# KiCad board uq_phone.kicad_pcb (continued)
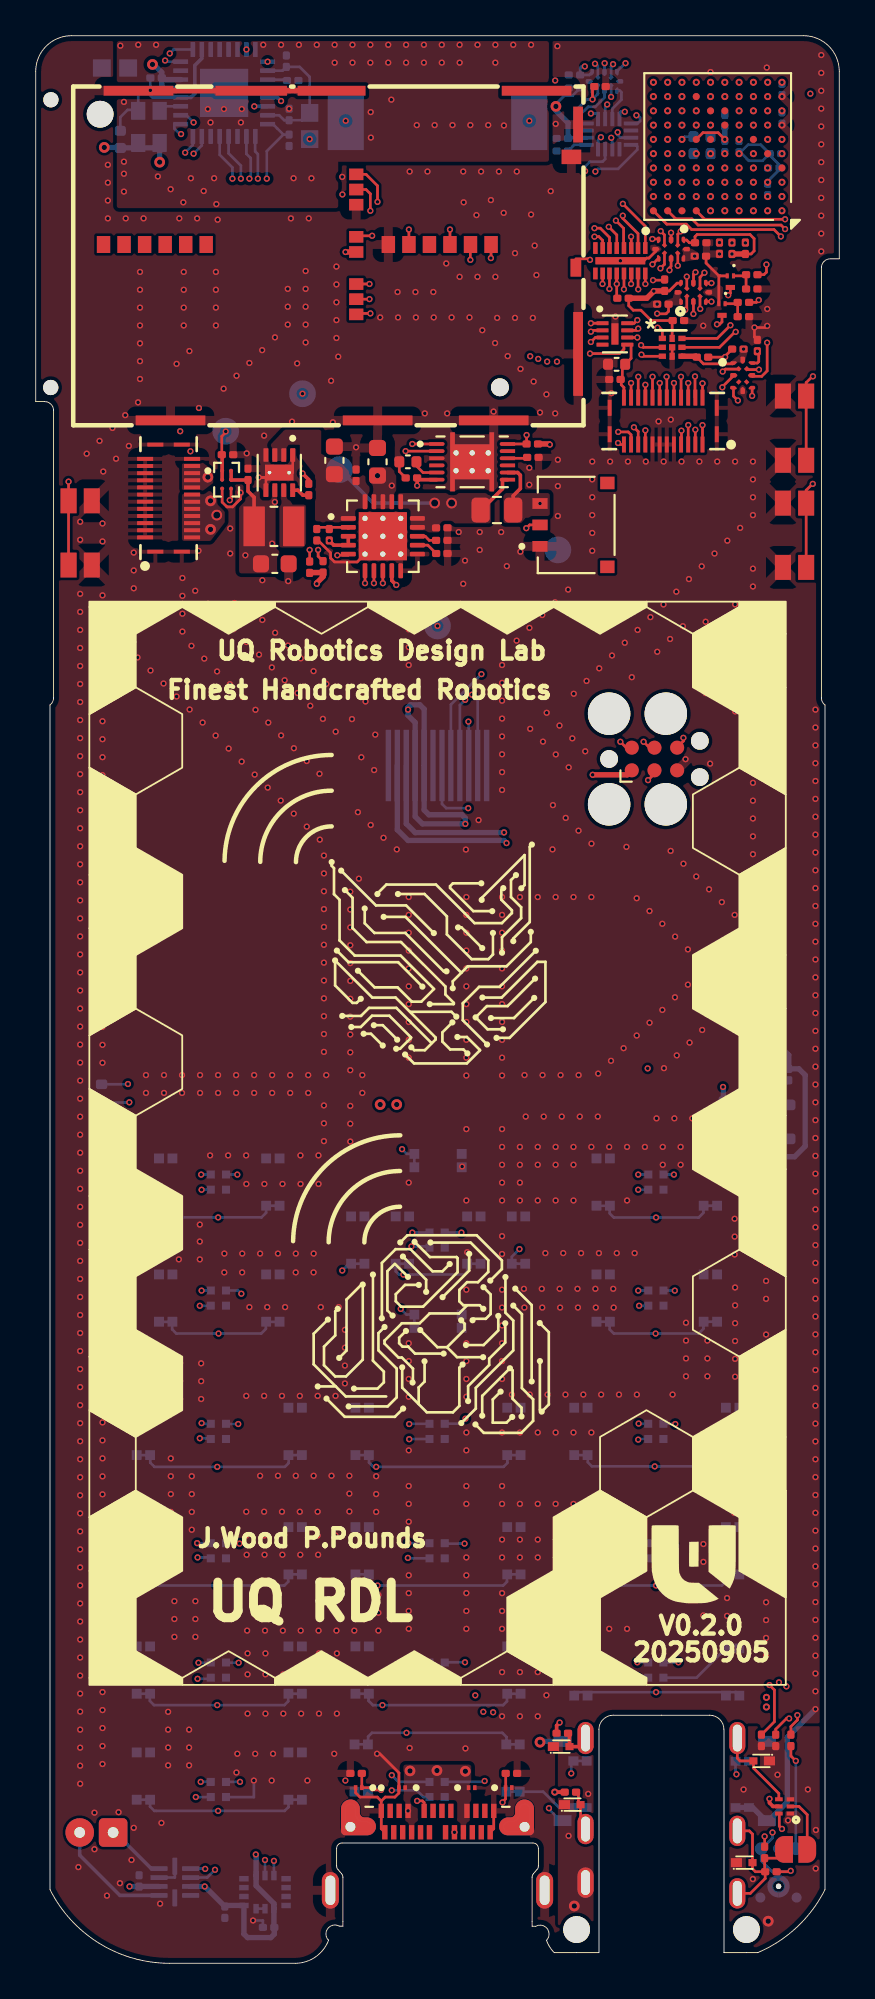
[diagram p0: board, top side]
## Routing (per net, layer and track width the routed paths; a pad name or vN(x,y) marks a point on that pad's centre or on a via; arc(x,y) is an arc through that point) (continued)
PB_DPAD_RIGHT: length 73.5
  In4.Cu w0.15: v1(17.17,38.81) 17.17,67.6 30.61,81.04 30.62,81.04 30.64,81.06 30.64,97.1 32.91,99.37 37.37,99.37 v1(37.79,99.79)
  Bottom w0.15: v1(17.17,38.81) 17.55,39.2 SW32.3 SW32.1
PB_DPAD_SELECT: length 88.8
  In4.Cu w0.15: v1(41.79,102.19) 42.04,102.19 42.61,101.62 42.61,89.6 42.4,89.38 42.4,49.07 38.44,45.11 22.92,45.11 20.59,42.79 v1(20.59,38.59)
  Bottom w0.15: SW11.1 SW11.3 24.16,38.76 23.99,38.59 v1(20.59,38.59) 20.34,38.59 20.16,38.77 SW5.3 SW5.1
PB_DPAD_UP: length 78.8
  In4.Cu w0.15: v1(40.99,102.19) 41.37,101.81 41.9,101.81 42.36,101.35 42.36,89.7 42.14,89.49 42.14,49.19 38.32,45.36 20.77,45.36 v1(20.52,45.61)
  Bottom w0.15: SW23.1 SW23.3 20.78,45.35 v1(20.52,45.61)
PB_END_CALL: length 88.5
  In4.Cu w0.15: v1(37.79,100.59) 37.37,100.17 33.35,100.17 30.39,97.2 30.39,95.29 30.39,95.29 30.39,81.18 16.91,67.7 16.91,39.11 13.08,35.28 v1(10.24,35.28)
  Bottom w0.15: 6.89,35.94 7.65,35.94 SW21.1 ; 12.9,35.93 12.9,35.94 13.64,35.94 ; 12.89,35.94 12.89,35.55 12.63,35.28 v1(10.24,35.28) 7.88,35.28 7.64,35.52 7.64,35.94
PB_HASH: length 123.7
  In4.Cu w0.15: v1(10.22,8.54) 12.82,8.54 18.59,14.31 18.59,44.5 22.15,48.06 31.59,48.06 41.89,58.37 41.89,89.65 42.11,89.86 42.11,95.65 39.81,97.95 39.81,100.17 v1(39.39,100.59)
  Bottom w0.15: SW35.3 SW35.1 6.4,8.78 6.64,8.54 v1(10.22,8.54) 13.94,8.54 14.15,8.75 SW40.3 SW40.1
PB_MENU_L: length 76.9
  In4.Cu w0.15: v1(34.74,41.78) 38.48,41.78 42.9,46.2 42.9,89.17 43.11,89.39 43.11,102.67 42.37,103.41 41.42,103.41 v1(40.99,102.99)
  Bottom w0.15: 32.14,42.44 32.14,42.02 32.38,41.78 v1(34.74,41.78) 37.13,41.78 37.39,42.05 37.39,42.44 ; SW31.1 SW31.3 ; 31.39,42.44 32.16,42.44
PB_MENU_R: length 82.9
  In4.Cu w0.15: v1(10.22,41.79) 15.07,41.79 16.66,43.39 16.66,67.8 30.14,81.28 30.14,96.59 30.14,96.59 30.14,97.31 33.8,100.97 36.61,100.97 v1(36.99,100.59)
  Bottom w0.15: SW4.3 SW4.1 7.65,42.03 7.89,41.79 v1(10.22,41.79) 12.64,41.79 12.9,42.05 SW10.3 SW10.1
PB_PWR: length 52.9
  Top w0.15: v1(1.84,83.01) SW22.1 SW22.2
  In4.Cu w0.15: v1(1.84,83.01) 1.89,83.01 19.84,100.96 28.07,100.96 30.18,103.08 30.18,106.96 30.56,107.34 35.42,107.34 36.19,106.56 v1(36.19,105.39)
PB_STAR: length 115.2
  In3.Cu w0.15: v1(29.99,10.64) 29.99,13.4 30.98,14.39 39.24,14.39 40.24,13.39 40.24,11.89 39.24,10.89 v1(39.24,10.59) 40.06,10.59 43.14,13.67 43.14,89.06 43.62,89.54 43.62,98.96 41.18,101.39 v1(40.19,101.39)
  Bottom w0.15: v1(29.99,10.64) 29.99,11.22 SW33.1 ; 39.94,11.26 39.88,11.32 39.25,11.32 39.19,11.26 ; 30.11,11.3 30.15,11.34 30.82,11.34 30.85,11.3 ; v1(39.24,10.59) 39.19,10.64 SW38.1
PB_VOL_DOWN: length 28.6
  Top w0.15: SW16.1 SW16.2 43.15,82.53 43.5,82.89 v1(43.52,82.89)
  In4.Cu w0.15: v1(40.99,103.79) 41.37,104.17 42.91,104.17 43.36,103.71 43.36,89.29 43.15,89.07 43.15,83.26 v1(43.52,82.89)
PB_VOL_UP: length 23.2
  Top w0.15: SW6.1 SW6.2 43.15,88.56 43.5,88.91 v1(43.52,88.91)
  In4.Cu w0.15: v1(43.52,88.91) 43.62,89.01 43.62,103.94 42.54,105.01 41.42,105.01 v1(40.99,104.59)
POWER_SW: length 40.4
  Top w0.15: v1(10.87,81.97) 10.94,82.05 U15.C2
  In4.Cu w0.15: v1(36.19,101.39) 35.81,101.77 34.24,101.77 29.89,97.41 29.89,96.69 29.89,96.69 29.89,87.11 25.17,82.39 13.37,82.39 12.96,81.97 v1(10.87,81.97)
RST: length 40.8
  Top w0.15: 34.62,66.9 34.62,66.62 v1(34.29,66.29)
  In2.Cu w0.15: v1(34.29,66.29) 34.64,66.64 36.14,66.64 37.03,67.53 37.48,67.53 38.14,68.19 38.14,77.05 42.62,81.52 42.62,100.59 41.82,101.39 v1(41.79,101.39)
SCL: length 129.4
  Top w0.15: U5.7 38.17,91.04 v1(38.9,91.78) ; v1(20.71,84.72) U3.2
  In1.Cu w0.15: v1(25.07,14.09) 25.36,14.39 25.36,80.77 21.41,84.72 v1(20.71,84.72)
  In2.Cu w0.15: v1(20.71,84.72) 20.71,85.99 21.11,86.39 21.12,86.39 21.17,86.44 30.35,86.44 31.99,84.8 37.34,84.8 37.78,85.24 37.78,90.65 v1(38.9,91.78) 39.37,92.24 39.37,96.01 v1(38.99,96.39) 38.99,98.59 v1(39.39,98.99) ; v1(12.84,5.79) 12.84,6.68 20.73,14.57 23.93,14.57 24.41,14.09 v1(25.07,14.09)
  Bottom w0.15: U11.13 v1(12.84,5.79)
SDA: length 128.3
  Top w0.15: U3.1 v1(21.09,85.12) ; U5.6 38.29,90.54 39.16,91.41 v1(39.2,91.41)
  In1.Cu w0.15: v1(25.62,14.06) 25.62,80.87 21.39,85.09 21.13,85.09 v1(21.09,85.12)
  In2.Cu w0.15: v1(21.09,85.12) 21.09,86.01 21.27,86.19 30.25,86.19 31.89,84.55 37.44,84.55 38.05,85.16 38.05,90.3 39.16,91.41 v1(39.2,91.41) 39.2,91.45 39.62,91.86 39.62,96.26 v1(39.74,96.39) 39.74,97.84 v1(39.39,98.19) ; v1(13.34,5.74) 13.34,6.82 20.84,14.32 23.83,14.32 24.43,13.71 25.26,13.71 v1(25.62,14.06)
  Bottom w0.15: U11.14 v1(13.34,5.74)
SIM_CLK: length 6.8
  Top w0.15: v1(33.74,91.59) 33.64,91.49 U8.7 ; v1(33.74,88.89) 33.74,88.89 J9.22
  In2.Cu w0.15: v1(33.74,88.89) 33.74,88.41 33.5,88.16 33.18,88.16 32.96,88.39 32.96,90.89 33.66,91.59 v1(33.74,91.59)
SIM_DATA: length 4.1
  Top w0.15: J9.23 v1(33.34,88.54) ; U8.6 v1(33.69,91.09)
  In2.Cu w0.15: v1(33.34,88.54) 33.34,90.74 v1(33.69,91.09)
SIM_RST: length 7.8
  Top w0.15: v1(33.69,92.06) 33.52,91.89 U8.8 ; v1(34.14,88.44) J9.21
  In2.Cu w0.15: v1(33.69,92.06) 33.68,92.06 32.71,91.09 32.71,88.09 33.11,87.69 33.7,87.69 34.14,88.13 v1(34.14,88.44)
SIM_VDD: length 20.2
  Top w0.15: J9.24 32.94,88.29 32.79,88.44 32.79,88.63 32.85,88.69 32.85,89.43 33.34,89.92 33.34,90.68 33.34,90.69 U8.5 32.94,90.69 32.94,90.44 32.69,90.19 v1(31.04,90.19) ; v1(20.9,97.14) 20.9,96.3
  In2.Cu w0.15: v1(20.9,97.14) 20.9,96.48 23.29,94.09 26.79,94.09 30.69,90.19 v1(31.04,90.19)
SPEAKER_N: length 18.6
  In1.Cu w0.2: v1(17.36,103.23) 17.36,103.72 17.04,104.04 arc(16.93,104.09) 16.82,104.04 16.45,103.67 arc(16.34,103.62) 16.23,103.67 16.17,103.73 arc(16.13,103.84) 16.17,103.95 17.13,104.91 arc(17.18,105.02) 17.13,105.13 17.08,105.18 arc(16.97,105.23) 16.86,105.18 15.9,104.22 arc(15.79,104.18) 15.68,104.22 15.62,104.28 arc(15.58,104.39) 15.62,104.5 16.58,105.46 arc(16.63,105.57) 16.58,105.68 16.53,105.73 arc(16.42,105.78) 16.31,105.73 15.35,104.77 arc(15.24,104.73) 15.13,104.77 15.07,104.83 arc(15.03,104.94) 15.07,105.05 16.03,106.01 arc(16.08,106.12) 16.03,106.23 15.98,106.29 arc(15.87,106.33) 15.76,106.29 14.79,105.32 arc(14.68,105.28) 14.57,105.32 14.52,105.38 arc(14.47,105.49) 14.52,105.6 15.34,106.42 arc(15.38,106.53) 15.34,106.64 15.28,106.7 arc(15.17,106.74) 15.06,106.7 14.83,106.47 arc(14.72,106.42) 14.61,106.47 14.44,106.64 13.08,106.64 v1(12.99,106.54)
  Bottom w0.2: 17.1,102.59 17.1,102.97 v1(17.36,103.23)
SPEAKER_P: length 18.6
  In1.Cu w0.2: v1(11.8,107.23) 11.96,107.06 24.44,107.06 26.25,105.25 26.25,104.62 v1(27.64,103.23)
  Bottom w0.2: 27.9,102.59 27.9,102.97 v1(27.64,103.23)
SWCLK: length 40.1
  Top w0.15: v1(34.04,68.44) 34.37,68.11 J6.4 ; U6.A9 35.84,97.74 36.74,97.74 37.09,97.39 41.74,97.39 v1(41.97,97.16)
  In2.Cu w0.15: v1(34.04,68.44) 33.82,68.66 33.82,73.44 42.11,81.73 42.11,97.02 v1(41.97,97.16)
SWDIO: length 43
  Top w0.15: U6.A10 35.34,97.44 36.43,97.44 36.73,97.14 41.34,97.14 v1(41.73,96.75) ; v1(32.74,68.44) 33.07,68.11 33.35,68.11
  In2.Cu w0.15: v1(32.74,68.44) 31.62,68.44 30.65,69.41 30.65,70.62 41.86,81.84 41.86,96.62 v1(41.73,96.75)
SWO: length 37.6
  Top w0.15: v1(41.97,97.71) 37.47,97.71 U6.A7 ; 35.9,68.11 36.27,68.48 v1(36.27,68.66)
  In2.Cu w0.15: v1(41.97,97.71) 42.36,97.32 42.36,81.63 36.84,76.1 36.84,69.29 36.27,68.72 v1(36.27,68.66)
uSD_CLK: length 7
  Top w0.15: U10.4 32.92,96.12 32.92,97.21 v1(32.49,97.64)
  In2.Cu w0.15: v1(32.49,97.64) 32.49,98.79 33.09,99.39 35.79,99.39 v1(36.19,99.79)
uSD_CMD: length 5.2
  Top w0.15: U10.3 33.35,96.73 v1(33.34,96.74)
  In2.Cu w0.15: v1(36.99,98.99) 35.45,97.45 34.05,97.45 v1(33.34,96.74)
uSD_DAT0: length 9.4
  Top w0.15: U10.6 32.13,96.7 31.61,97.22 v1(31.29,97.22)
  In2.Cu w0.15: v1(35.39,102.19) 34.99,102.59 34.44,102.59 31.29,99.44 v1(31.29,97.22)
uSD_DAT1: length 8.7
  Top w0.15: v1(31.29,96.74) 31.54,96.74 31.75,96.53 U10.7
  In2.Cu w0.15: v1(35.39,101.39) 34.99,101.79 34.19,101.79 31.69,99.29 31.69,97.04 31.39,96.74 v1(31.29,96.74)
uSD_DAT2: length 5.7
  Top w0.15: U10.1 34.14,97.32 v1(32.88,98.58)
  In2.Cu w0.15: v1(32.88,98.58) 34.98,98.58 v1(35.39,98.99)
uSD_DAT3: length 6.1
  Top w0.15: v1(32.88,97.92) 32.88,97.76 33.73,96.91 U10.2
  In2.Cu w0.15: v1(32.88,97.92) 33.09,97.7 34.9,97.7 v1(36.19,98.99)
uSD_DET: length 6.7
  Top w0.15: v1(32.09,97.29) 32.54,96.84 32.54,96.1 U10.5
  In2.Cu w0.15: v1(32.09,97.29) 32.09,99.24 34.24,101.39 v1(34.59,101.39)
uSD_SIM_CD: length 4.9
  Top w0.15: R25.1 32.54,93.32 U10.12 32.54,94.09 v1(32.54,94.09) ; v1(31.04,95.44) 30.98,95.5 30.25,95.5
  In1.Cu w0.15: v1(32.54,94.09) 32.17,94.46 32.02,94.46 v1(31.04,95.44)
VIB_EN: length 131.5
  In3.Cu w0.15: v1(38.59,105.39) 38.59,106.64 37.89,107.34 30.53,107.34 29.86,106.67 29.86,102.2 27.04,99.39 18.94,99.39 3.24,83.69 3.24,10.86 8.82,5.29 v1(9.49,5.29)
  Bottom w0.15: U12.1 9.48,5.3 v1(9.49,5.29)
VIB_PWM: length 134.9
  In3.Cu w0.15: v1(10.04,5.24) 9.71,4.91 8.79,4.91 2.99,10.72 2.99,83.79 18.84,99.64 26.94,99.64 29.61,102.31 29.61,106.77 30.43,107.59 38.69,107.59 39.39,106.89 39.39,105.41 39.37,105.39 v1(39.39,105.39)
  Bottom w0.15: v1(10.04,5.24) 9.61,4.8 U12.2
VUSB: length 17
  Top w0.2: 19.94,77.95 19.94,77.47 v1(20.19,77.22) ; U2.3 U2.4 16.69,79.45 v1(16.44,79.7)
  In1.Cu w0.2: 22.54,77.69 22.08,77.22 v1(20.19,77.22) 19.28,78.14 18.24,78.14 16.68,79.7 v1(16.44,79.7)
  In1.Cu w0.825: 22.54,77.69 22.54,80.19 19.38,83.35 v3(19.14,83.35)
  vias: v1(19.94,82.79) v1(20.85,8.54) v1(22.5,74.93) v3(20.96,10.78) v3(22.47,10.8) v3(24.06,10.76)
Net-(C25-Pad1):
  vias: v1(36.99,101.39)
Net-(C26-Pad1): length 0.7
  Bottom w0.15: v1(36.19,102.19) 36.34,102.34 36.81,102.34
Net-(C48-Pad2): length 2
  Top w0.2: 31.14,12.14 D9.2 29.89,12.81 C48.2
Net-(C49-Pad2): length 2.4
  Top w0.15: C49.2 30.39,9.59 30.39,9.01 D10.2 30.51,7.8 J1.2
Net-(J2-CC1): length 5.5
  Top w0.15: 18.42,10.64 R2.2 18.26,9.84 D7.1 18.69,9.84 18.82,9.71 v1(19.34,9.71) ; v1(21.36,9.1) 21.66,9.1 21.75,9.01 21.75,8.31
  In1.Cu w0.15: v1(19.34,9.71) 19.96,9.1 v1(21.36,9.1)
Net-(J2-CC2): length 5.3
  Top w0.15: R3.2 26.32,9.7 26.31,9.69 26.31,9.21 26.14,9.04 v1(26.14,9.01)
  In1.Cu w0.15: v1(23.45,7.34) 23.45,7.67 23.86,8.08 25.33,8.08 26.14,8.89 v1(26.14,9.01)
Net-(J8A-CD/DAT3): length 17.2
  Top w0.15: v1(33.74,93.79) 33.73,93.8 U10.15 ; v1(18.69,93.24) 18.69,93.24 J8.2
  In1.Cu w0.15: v1(18.69,93.24) 19.24,93.24 19.54,92.94 32.97,92.94 33.74,93.7 v1(33.74,93.79)
Net-(J8A-CLK): length 17.4
  Top w0.15: J8.5 18.01,96.79 v1(18.84,96.79) ; U10.13 32.94,93.79 v1(32.94,93.79)
  In1.Cu w0.15: v1(18.84,96.79) 19.77,96.79 23.12,93.44 32.59,93.44 v1(32.94,93.79)
Net-(J8A-CMD): length 17
  Top w0.15: U10.14 33.35,94.1 v1(33.34,94.09) ; v1(18.69,94.09) 17.95,94.09 J8.3
  In1.Cu w0.15: v1(18.69,94.09) 19.24,94.09 20.14,93.19 32.87,93.19 33.34,93.66 v1(33.34,94.09)
Net-(J8A-DAT0): length 18
  Top w0.15: 17.95,99.38 18.5,99.38 18.74,99.14 v1(18.74,98.19) ; v1(32.13,93.81) 32.13,93.82 U10.11
  In1.Cu w0.15: v1(18.74,98.19) 23.22,93.71 32.03,93.71 v1(32.13,93.81)
Net-(J8A-DAT1): length 17.7
  Top w0.15: v1(31.74,94.09) 31.75,94.1 U10.10 ; J8.8 18.5,100.23 19.14,99.59 v1(19.14,98.69)
  In1.Cu w0.15: v1(19.14,98.69) 19.14,98.24 23.29,94.09 v1(31.74,94.09)
Net-(J8A-DAT2): length 17.8
  Top w0.15: U10.16 34.14,94.09 v1(34.14,94.09) ; J8.1 18,92.44 v1(18.74,92.44)
  In1.Cu w0.15: v1(18.74,92.44) 18.74,92.48 18.95,92.68 33.17,92.68 34.14,93.66 v1(34.14,94.09)
Net-(J8B-SIM_1_CLK): length 8.8
  Top w0.15: v1(25.49,95.54) 25.49,95.57 25.5,95.58 25.5,96.3 ; v1(31.09,91.41) 31.17,91.49 U8.2
  In2.Cu w0.15: v1(31.09,91.41) 30.27,91.41 26.14,95.54 v1(25.49,95.54)
Net-(J8B-SIM_1_DATA): length 10.3
  Top w0.15: v1(31.09,90.84) 31.34,91.09 U8.3 ; v1(24.34,95.44) 24.34,96.29 24.35,96.3
  In2.Cu w0.15: v1(31.09,90.84) 30.44,90.84 26.19,95.09 24.69,95.09 v1(24.34,95.44)
Net-(J8B-SIM_1_RST): length 11.6
  Top w0.15: U8.1 v1(31.09,91.89) ; v1(23.2,97.14) 23.2,96.3
  In2.Cu w0.15: v1(31.09,91.89) 30.17,91.89 24.92,97.14 v1(23.2,97.14)
Net-(JP1-B): length 3.1
  Top w0.15: 42.27,8.79 42.74,8.79 43.21,8.32 JP1.2
Net-(LED1-DI): length 12.3
  In1.Cu w0.15: v1(19.94,9.69) 18.84,10.79 12.07,10.79 v1(11.44,10.16)
  Bottom w0.15: LED5.1 11.44,10.16 v1(11.44,10.16) ; LED1.4 21.72,9.31 21.34,9.69 v1(19.94,9.69)
Net-(LED1-DO): length 7.6
  In1.Cu w0.15: v1(28.74,8.69) 28.74,8.74 27.27,10.21 v1(25.14,10.21)
  Bottom w0.15: LED1.1 25.09,10.16 v1(25.14,10.21) ; v1(28.74,8.69) 28.74,8.64 29.38,8 LED2.4
Net-(LED3-DI): length 11.8
  In2.Cu w0.15: v1(20.79,15.99) 20.25,15.99 19.4,16.84 v1(11.37,16.84)
  Bottom w0.15: LED3.4 20.8,16 v1(20.79,15.99) ; v1(11.37,16.84) 10.67,16.84 LED8.1
Net-(LED3-DO): length 12.3
  In2.Cu w0.15: v1(33.69,16.01) 32.14,17.57 24.75,17.57 v1(24.04,16.86)
  Bottom w0.15: v1(33.69,16.01) 33.7,16 LED4.4 ; v1(24.04,16.86) 22.92,16.86 LED3.1
Net-(LED4-DO): length 36.2
  In2.Cu w0.15: v1(35.99,16.86) 35.99,16.24 35.34,15.59 9.87,15.59 7.97,13.69 7.97,10.31 v1(8.97,9.31)
  Bottom w0.15: v1(35.99,16.86) 35.98,16.85 LED4.1 ; v1(8.97,9.31) LED5.4
Net-(LED6-DO): length 11.8
  In2.Cu w0.15: v1(33.74,22.66) 33.17,23.24 24.29,23.24 v1(24.02,23.51)
  Bottom w0.15: v1(33.74,22.66) 33.76,22.69 LED7.4 ; v1(24.02,23.51) 22.93,23.51 LED6.1
Net-(LED7-DO): length 37.1
  In2.Cu w0.15: v1(35.72,23.54) 36.04,23.54 36.54,23.04 36.54,22.66 36.12,22.24 9.39,22.24 8.37,21.21 8.37,16.64 v1(9.07,15.94)
  Bottom w0.15: v1(9.07,15.94) 9.74,15.94 LED8.4 ; v1(35.72,23.54) 35.71,23.54 LED7.1
Net-(LED10-DI): length 12
  In2.Cu w0.15: v1(33.74,29.34) 32.57,30.51 v1(24.07,30.51)
  Bottom w0.15: 34.29,29.49 34.3,29.48 ; LED9.1 22.92,30.24 23.79,30.24 v1(24.07,30.51) ; v1(33.74,29.34) 33.78,29.38 LED10.4
Net-(LED10-DO): length 36.2
  In2.Cu w0.15: v1(9.07,22.74) 8.14,23.66 8.14,27.22 9.21,28.29 35.14,28.29 36.14,29.29 36.14,29.89 v1(35.82,30.21)
  Bottom w0.15: v1(9.07,22.74) 9.75,22.74 LED11.4 ; LED10.1 35.8,30.23 v1(35.82,30.21)
Net-(LED11-DO): length 11.8
  In2.Cu w0.15: v1(20.84,22.71) 20.18,22.71 19.38,23.51 v1(11.42,23.51)
  Bottom w0.15: LED6.4 20.87,22.69 v1(20.84,22.71) ; v1(11.42,23.51) 10.68,23.51 LED11.1
Net-(LED12-DI): length 35
  In2.Cu w0.15: v1(9.19,36.84) 8.92,37.11 8.92,38.19 9.99,39.26 34.94,39.26 36.52,40.84 36.52,43.41 v1(35.74,44.19)
  Bottom w0.15: v1(9.19,36.84) 9.8,36.84 LED12.4 ; LED17.1 35.73,44.2 v1(35.74,44.19)
Net-(LED12-DO): length 24
  In2.Cu w0.15: v1(11.52,37.51) 11.74,37.29 33.34,37.29 v1(33.79,36.84)
  Bottom w0.15: v1(11.52,37.51) 11.33,37.7 LED12.1 ; LED13.4 34.3,36.84 v1(33.79,36.84)
Net-(LED13-DO): length 36.1
  In2.Cu w0.15: v1(9.19,29.41) 8.69,29.91 8.69,34.54 10.39,36.24 35.62,36.24 36.19,36.81 36.19,37.29 v1(35.79,37.69)
  Bottom w0.15: LED13.1 35.78,37.7 v1(35.79,37.69) ; LED14.4 9.77,29.41 v1(9.19,29.41)
Net-(LED14-DO): length 12.1
  In2.Cu w0.15: v1(20.92,29.36) 19.63,30.65 11.78,30.65 v1(11.34,30.21)
  Bottom w0.15: LED14.1 10.67,30.21 v1(11.34,30.21) ; 22.04,29.46 22.05,29.48 ; v1(20.92,29.36) 20.93,29.38 LED9.4
Net-(LED15-DI): length 10
  In2.Cu w0.15: v1(9.29,43.34) 6.99,43.34 5.94,44.39 5.94,47.54 v1(5.24,48.24)
  Bottom w0.15: R42.1 5.23,48.23 v1(5.24,48.24) ; LED15.4 9.3,43.35 v1(9.29,43.34)
Net-(LED15-DO): length 13.1
  In2.Cu w0.15: v1(21.04,40.16) 17.02,44.19 v1(11.29,44.19)
  Bottom w0.15: LED15.1 11.28,44.2 v1(11.29,44.19) ; LED16.4 21.99,40.16 v1(21.04,40.16)
Net-(LED16-DO): length 12.6
  In2.Cu w0.15: v1(23.84,40.94) 23.84,41.31 25.87,43.34 v1(33.74,43.34)
  Bottom w0.15: LED16.1 23.83,40.95 v1(23.84,40.94) ; v1(33.74,43.34) 34.3,43.34 LED17.4
Net-(M1-+): length 4.1
  Bottom w0.2: U12.9 6.48,5.3 4.45,7.33 3.8,7.33 3.71,7.24
Net-(M1--): length 6.6
  Bottom w0.2: U12.6 4.72,3.8 2.47,6.05 M1.2
Net-(MK1-OUTPUT): length 5.9
  Top w0.15: v1(42.57,11.34) 42.29,11.61 C36.1
  Bottom w0.15: MK1.1 42.57,6.43 v1(42.57,11.34)
Net-(OSC1-OUT): length 1.3
  Bottom w0.15: U14.11 7.19,104.04 OSC1.3
Net-(Q1-Pad1): length 1.5
  Top w0.15: 39.08,94.54 39.72,94.54 R16.1 R18.2
Net-(Q2-Pad1): length 1.5
  Top w0.15: Q2.1 39.24,92.98 R17.1 R19.2
Net-(Q3-Pad1): length 2.6
  Bottom w0.3: Q3.1 41.31,48.09 R26.1 41.4,49.4 42.1,49.4 R21.1
Net-(Q3-Pad3): length 1.5
  Bottom w0.3: R27.1 39.53,47.14 Q3.3
Net-(U1-PG): length 1
  Top w0.2: R1.1 14.96,82.25 14.68,82.53 U1.8
Net-(U2-PROG1): length 1.1
  Top w0.15: R10.1 22.04,79.72 21.81,79.95 U2.13
Net-(U2-PROG3): length 1.2
  Top w0.15: U2.12 21.96,79.45 22.39,79.02 22.42,79.02
Net-(U2-VPCC): length 1.8
  Top w0.15: 15.74,80.34 15.85,80.45 17.44,80.45 17.51,80.39
Net-(U3-BAT): length 11.8
  Top w0.2: v1(21.36,82.79) C6.1 21.46,83.12 U3.6 ; U3.8 26.99,83.52 27.14,83.37 27.14,82.62 26.74,82.22 R9.1
  In2.Cu w0.15: v1(28.24,81.79) 27.99,81.79 26.99,82.79 v1(21.36,82.79)
Net-(U3-BIN): length 1.2
  Top w0.15: U3.10 27.42,84.32 27.54,84.44
Net-(U3-VDD): length 1.5
  Top w0.15: U3.5 21.69,83.52 21.32,83.89 C5.1
Net-(U6-BOOT0): length 4.5
  In1.Cu w0.15: v1(38.29,96.41) 38.21,96.49
  In2.Cu w0.15: v1(38.29,96.41) 38.21,96.49 38.21,100.21 v1(38.59,100.59)
Net-(U13-~{EN}): length 1.2
  Bottom w0.15: R33.2 30.16,101.88 30.85,101.88
Net-(U14-VDDA): length 7.3
  Bottom w0.15: U14.31 13.64,103.54 13.92,103.26 14.93,103.26 FB2.2 15.34,105.69 14.78,106.25 C40.1 13.83,106.04 U14.26
Net-(U14-VREF): length 1.1
  Bottom w0.15: 14.06,105.44 13.96,105.54 12.99,105.54 U14.27
unconnected-(U6-PB0-PadJ4):
  vias: v1(39.39,104.59)
unconnected-(U6-PB11-PadK7):
  vias: v1(36.99,105.39)
unconnected-(U6-PC5-PadH4):
  vias: v1(39.39,103.79)
unconnected-(U6-PE8-PadJ5):
  vias: v1(38.59,104.59)
unconnected-(U6-PE10-PadG6):
  vias: v1(37.79,102.99)
unconnected-(U6-PE13-PadK6):
  vias: v1(37.79,105.39)
unconnected-(U6-PE15-PadH7):
  vias: v1(36.99,103.79)

## Copper pours and planes (outline as drawn; the poured copper is in the pictures)
+1.8V on Top: 39.45,89.56 39.63,89.63 39.72,89.74 39.87,90.28 39.87,90.64 39.41,90.64 39.41,90.14 38.94,89.76 38.89,89.71 38.89,89.56
+1.8V on Top: 8.19,82.49 8.19,84.09 9.34,84.09 9.94,83.64 9.94,82.94 9.34,82.49
+3.3V on Top: 13.64,83.02 13.64,77.87 11.39,77.87 11.39,81.87 13.19,83.02
+3.3V on In1.Cu: 38.69,95.14 38.69,95.81 39.89,96.14 40.39,97.37 40.39,100.32 39.49,101.74 38.74,101.74 38.29,102.04 38.29,102.32 41.36,105.64 41.84,105.64 42.09,105.34 42.09,103.55 41.64,103.3 41.64,97.92 40.49,95.14
AGND on Top, Bottom, In1.Cu, In2.Cu, In3.Cu, In4.Cu: 29.24,0.59 29.24,13.29 44.19,13.29 44.19,0.59
AGND on Top, Bottom, In1.Cu, In2.Cu, In3.Cu, In4.Cu: 4.54,107.99 4.54,98.34 16.94,98.34 16.94,100.94 28.74,100.94 28.74,107.99
AGND on In1.Cu: 6.32,99.89 7.77,99.89 7.77,74.11 19.84,62.06 20.59,61.34 20.59,47.66 18.96,47.66 18.99,60.61 6.32,73.29
AGND on In2.Cu: 29.24,13.29 29.24,15.34 40.57,15.34 40.57,13.29
AGND on In2.Cu: 18.97,47.66 38.04,47.66 39.52,46.41 39.52,12.16 40.57,12.16 40.57,46.81 38.28,48.59 18.97,48.59
GND on Top, Bottom, In1.Cu, In2.Cu, In3.Cu, In4.Cu: -0.01,107.99 45.04,107.99 45.02,0.09 -0.51,-0.19
VBAT on Top: 20.19,82.37 25.49,82.37 25.49,80.67 22.74,80.67 22.74,80.17 20.19,80.17
VBAT on Top, In2.Cu: 8.19,82.49 9.79,82.49 10.59,81.54 10.59,80.74 9.79,79.69 8.19,79.69
MCP_OUT on Top: 13.14,84.02 13.14,85.07 13.94,85.92 15.99,85.92 15.99,84.57 17.19,83.97 17.74,83.37 18.69,83.37 18.69,80.67 15.64,80.67 15.64,83.37 14.79,84.47 14.79,85.07 14.14,85.07 14.14,84.02
VUSB on Top: 18.69,81.32 20.19,81.32 20.19,83.82 18.69,83.82
VUSB on Top: 20.59,11.13 20.59,6.54 24.39,6.54 24.39,11.13
VUSB on In1.Cu: 20.59,7.04 24.39,7.04 24.39,10.89 23.64,11.54 23.59,77.79 22.94,78.19 22.14,78.19 21.34,77.79 21.34,11.54 20.59,10.89
Net-(U1-SW) on Top: 13.64,83.02 14.14,83.02 14.14,82.12 14.39,81.72 15.14,81.72 15.14,79.32 13.64,79.32
Net-(U3-BAT) on Top: 27.43,80.99 27.19,80.69 26.19,80.69 26.19,82.37 28.79,82.37 28.79,80.99

Small or netless copper shapes (teardrops, artwork), in the pictures only: 2 on Top, 1 on Bottom

## Text on the board
B.Silkscreen: J.Wood P.Pounds | Finest Handcrafted Robotics | UQ RDL
User.Comments: SIM SOCKET
F.Silkscreen: J.Wood P.Pounds | UQ RDL
